# Altium PCB radxa_nx4_io_board_v1.11.PcbDoc (part 13 of 13)
Units mil, origin at the board's own origin, x right, y up, seen from the top; angles counter-clockwise.
Board outline 3937.01 x 3110.23 mil, 6 copper layers (TOP, GND02, ART03, ART04, GND05, BOTTOM), stack 47.2 mil thick; 639 components, 522 nets, 2442 pads, 1896 vias.
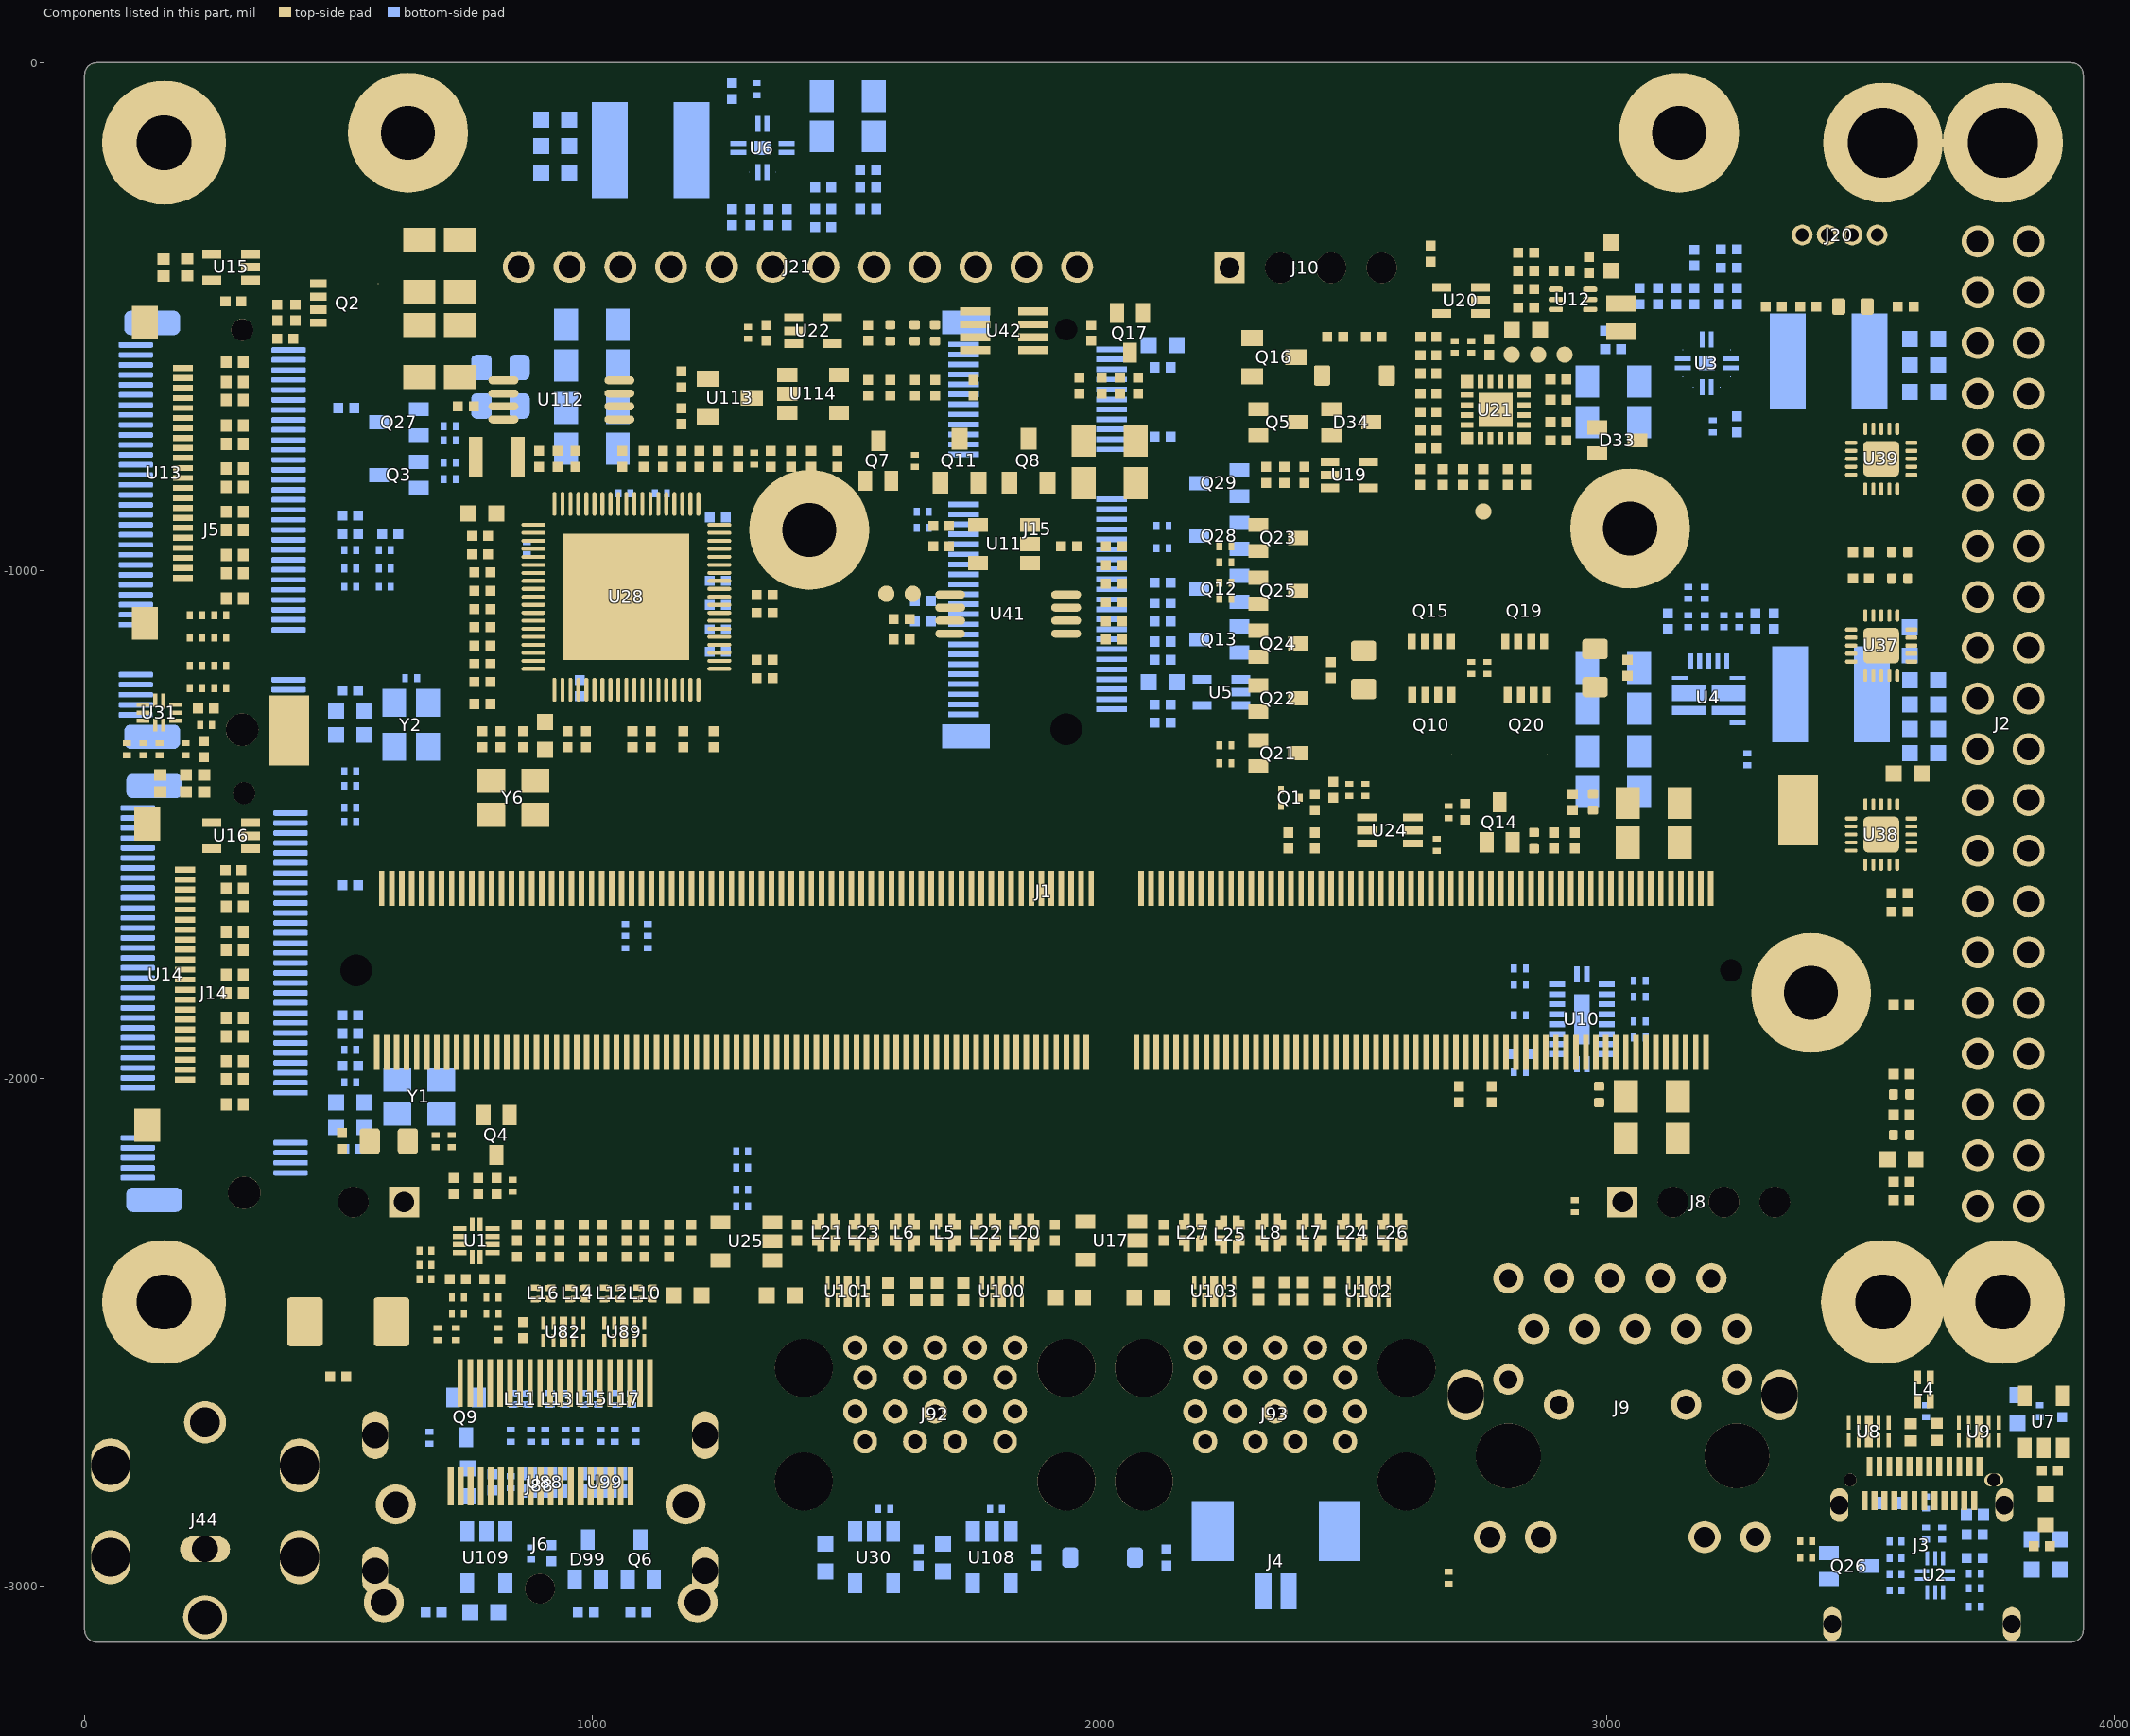
[diagram p17: the components of this part, seen from the top]

## Silkscreen, mask and mechanical layers (free items; w line width, h text height) (continued)
DXF-BOT-0717:
  drawing of 4334 lines, arcs and shapes, not listed
  text "R563" at -2845.45,7293.94 h11.81
  text "R562" at -2839.46,7257.09 h11.81 r270
  text "Q61" at -2916.13,7238.11 h12
  text "Q60" at -2845.26,7191.57 h11.81 r270
  text "D64" at -5357.57,7189.61 h31.5
  text "C341" at -2654.99,7145.39 h12
  text "R171" at -5411.9,7138.43 h11.81
  text "C143" at -5502.41,7118.07 h11.81
  text "C337" at -2802.1,7105.35 h11.81
  text "C335" at -2660.25,7080.35 h11.81
  text "C345" at -2412.93,7076.46 h11.81
  text "C413" at -2218.99,7063.62 h11.81
  text "C340" at -2802.1,7035.94 h11.81
  text "TP56" at -5130.41,7026.22 h11.81
  text "C156" at -2884.34,7024.29 h11.81 r270
  text "C336" at -2669.74,7019.33 h11.81
  text "C402" at -2214.74,6993.7 h11.81 r270
  text "C339" at -2685.6,6979.06 h11.81
  text "R415" at -2860.84,6971.18 h11.81
  text "C330" at -2799.07,6971.18 h11.81
  text "C393" at -5233.75,6944.57 h11.81 r270
  text "C394" at -5278.04,6939.65 h11.81 r270
  text "C111" at -3659.93,6939.65 h11.81 r270
  text "R418" at -2860.84,6939.69 h11.81
  text "C109" at -3620.56,6923.9 h11.81 r270
  text "R439" at -5134.34,6921.89 h11.81
  text "L45" at -2484.74,6921.69 h31.5
  text "R421" at -2860.84,6908.19 h11.81
  text "R441" at -4895.17,6896.3 h11.81
  text "R440" at -5134.34,6889.41 h11.81
  text "R175" at -5075.29,6889.41 h11.81
  text "R178" at -4957.18,6889.41 h11.81
  text "C165" at -4854.82,6888.46 h11.81 r270
  text "R176" at -4823.52,6888.46 h11.81 r270
  text "L47" at -2485.13,6882.13 h31.5
  text "TP12" at -3193.4,6877.64 h11.81 r270
  text "C343" at -2209.74,6870.91 h11.81 r270
  text "R408" at -2860.84,6868.82 h11.81
  text "R177" at -4895.17,6864.8 h11.81
  text "C142" at -3346.94,6860.91 h11.81 r270
  text "R144" at -3313.48,6860.91 h11.81 r270
  text "R165" at -3280.01,6860.91 h11.81 r270
  text "TP50" at -5132.38,6852.64 h11.81 r270
  text "U4" at -2714.19,6849.13 h31.5
  text "L46" at -2485.13,6842.36 h31.5
  text "R410" at -2860.84,6837.32 h11.81
  text "TP10" at -3193.4,6822.52 h11.81 r270
  text "R442" at -5214.07,6811.69 h11.81 r270
  text "C428" at -5180.56,6811.69 h11.81 r270
  text "C163" at -4869.58,6806.77 h11.81 r270
  text "C164" at -4820.37,6806.77 h11.81 r270
  text "C387" at -5124.5,6805.75 h11.81
  text "R413" at -2937.61,6805.83 h11.81
  text "R417" at -2860.84,6805.83 h11.81
  text "U26" at -5003.24,6801.81 h31.5 r270
  text "C357" at -4913.87,6792.99 h11.81 r270
  text "U19" at -3324.11,6772.28 h11.81 r270
  text "TP9" at -3198.13,6767.36 h11.81 r270
  text "R411" at -2937.61,6766.46 h11.81
  text "R416" at -2860.84,6766.46 h11.81
  text "R419" at -2604.82,6760.51 h11.81 r270
  text "R420" at -2661.9,6746.69 h11.81
  text "R414" at -2860.84,6732.99 h11.81
  text "TP11" at -3193.4,6712.28 h11.81 r270
  text "R511" at -2669.78,6703.39 h11.81
  text "C331" at -2610.72,6703.39 h11.81
  text "C329" at -2860.84,6699.53 h11.81
  text "L19" at -5149.9,6698.46 h11.81 r270
  text "C34" at -3265.06,6684.69 h11.81
  text "R31" at -3335.92,6669.92 h11.81 r270
  text "C344" at -2274.78,6669.88 h11.81 r270
  text "R30" at -3265.06,6651.22 h11.81
  text "C346" at -2411.9,6650.43 h31.5
  text "R224" at -3145.21,6639.84 h11.81
  text "R561" at -2879.86,6635.12 h15.75 r270
  text "R205" at -2853.01,6634.02 h11.81 r270
  text "Q59" at -2927.82,6586.34 h12
  text "R225" at -3136.19,6584.33 h11.81 r270
  text "C36" at -3180.29,6566.57 h11.81 r270
  text "J24" at -5598.2,6563.62 h31.5 r270
  text "J10" at -3864.62,6563.62 h31.5 r270
  text "MEC2" at -2638.4,6563.66 h50
  text "U6" at -3277.85,6544.61 h31.5
  text "Q37" at -2904.87,6540.71 h12
  text "C252" at -4806.59,6539.06 h11.81 r270
  text "C155" at -4664.86,6539.06 h11.81 r270
  text "C401" at -2208.83,6536.02 h11.81 r270
  text "MEC1" at -4254.35,6508.5 h50
  text "C32" at -3158.76,6487.83 h11.81
  text "Q36" at -2991.79,6476.34 h11.81 r270
  text "R460" at -4142.22,6473.11 h11.81 r270
  text "C30" at -3158.76,6456.34 h11.81
  text "R204" at -2940.72,6444.8 h11.81 r270
  text "R461" at -4142.22,6433.7 h11.81 r270
  text "C31" at -3158.76,6424.84 h11.81
  text "L43" at -2478.44,6423.86 h31.5
  text "R481" at -5263.28,6422.91 h11.81 r270
  text "L44" at -2478.04,6384.49 h31.5
  text "R374" at -4205.21,6370.71 h11.81
  text "R459" at -4159.93,6370.71 h11.81
  text "R458" at -4116.63,6370.71 h11.81
  text "C321" at -3058.26,6345.51 h12 r270
  text "L42" at -2478.44,6345.51 h31.5
  text "C315" at -2984.19,6335.24 h11.81 r270
  text "R400" at -2615.64,6332.32 h11.81
  text "C316" at -2922.69,6331.38 h11.81 r270
  text "C319" at -2882.41,6327.32 h11.81 r270
  text "R401" at -2615.64,6300.83 h11.81
  text "C44" at -4827.07,6287.05 h11.81 r270
  text "C45" at -4732.58,6287.05 h11.81 r270
  text "R37" at -4695.18,6287.05 h11.81 r270
  text "C55" at -4653.84,6287.05 h11.81 r270
  text "C48" at -4622.34,6287.05 h11.81 r270
  text "C325" at -2226.86,6280.2 h11.81 r270
  text "U3" at -2758,6274.69 h31.5 r270
  text "R510" at -2629.42,6253.62 h11.81 r270
  text "C311" at -2597.93,6253.62 h11.81 r270
  text "C108" at -3595.96,6242.17 h11.81
  text "U46" at -3211.9,6216.18 h31.5 r270
  text "C110" at -3608.75,6200.43 h11.81
  text "C310" at -2866.67,6196.14 h11.81 r270
  text "C320" at -3020.49,6194.33 h11.81 r270
  text "C317" at -2953.71,6192.95 h11.81 r270
  text "C52" at -4544.82,6183.58 h11.81
  text "C406" at -2255.96,6177.52 h11.81 r270
  text "C51" at -4614.47,6174.84 h11.81 r270
  text "C306" at -3117.61,6162.09 h11.81 r270
  text "C300" at -2898.12,6158.15 h11.81 r270
  text "C123" at -5188.48,6148.27 h11.81
  text "C326" at -2413.67,6146.5 h31.5
  text "R396" at -2866.67,6134.37 h11.81 r270
  text "R399" at -2835.17,6134.37 h11.81 r270
  text "R402" at -2803.67,6134.37 h11.81 r270
  text "R389" at -2764.3,6134.37 h11.81 r270
  text "R391" at -2732.81,6134.37 h11.81 r270
  text "R398" at -2701.31,6134.37 h11.81 r270
  text "R395" at -2661.94,6134.37 h11.81 r270
  text "R397" at -2628.48,6134.37 h11.81 r270
  text "C309" at -2595.01,6134.37 h11.81 r270
  text "C119" at -5188.48,6116.77 h11.81
  text "C113" at -3554.62,6099.06 h11.81
  text "C112" at -3554.62,6067.56 h11.81
  text "R394" at -2701.31,6057.6 h11.81 r270
  text "C122" at -5173.71,6054.76 h11.81
  text "C118" at -5173.71,6023.27 h11.81
  text "R392" at -2661.94,6019.37 h11.81 r270
  text "R387" at -2622.57,6019.37 h11.81 r270
  text "R388" at -2583.2,6019.37 h11.81 r270
  text "C115" at -5237.02,5879.96 h11.81
  text "R463" at -4666.82,5742.76 h11.81
  text "R464" at -4623.52,5742.76 h11.81
  text "R482" at -2930.6,5709.33 h11.81 r270
  text "R469" at -4666.82,5693.54 h11.81
  text "R470" at -4623.52,5693.54 h11.81
  text "J11" at -5560.33,5650.24 h31.5 r270
  text "MEC3" at -2286.04,5650.24 h50
  text "R485" at -2917.81,5632.56 h11.81 r270
  text "R484" at -2882.38,5632.56 h11.81 r270
  text "C379" at -2831.19,5622.68 h11.81
  text "D69" at -2557.37,5582.32 h31.5 r270
  text "C388" at -2705.21,5578.39 h11.81
  text "C385" at -2705.21,5543.94 h11.81
  text "TP53" at -4874.5,5492.76 h11.81
  text "TP54" at -4918.01,5492.2 h11.81
  text "C377" at -2990.64,5490.83 h11.81 r270
  text "U37" at -2880.21,5490.79 h31.5 r270
  text "C386" at -2740.64,5489.8 h11.81
  text "C384" at -2740.64,5455.35 h11.81
  text "D68" at -2557.37,5455.35 h31.5 r270
  text "TP55" at -2695.37,5386.46 h11.81
  text "C378" at -2883.36,5351.02 h11.81
  text "R486" at -2931.59,5317.6 h11.81 r270
  text "C121" at -4436.31,5287.83 h11.81
  text "C117" at -4436.31,5256.34 h11.81
  text "C120" at -4368.83,5148.58 h11.81
  text "C116" at -4368.83,5117.09 h11.81
  text "R550" at -4478.32,5104.21 h11.81 r270
  text "R553" at -4730.64,5100.47 h11.81
  text "R546" at -4634.93,5100.47 h11.81
  text "R545" at -4577.69,5099.92 h11.81
  text "Q58" at -4521.95,5100.24 h11.81
  text "R554" at -4786.79,5098.86 h11.81
  text "R549" at -4709.78,5068.9 h11.81
  text "R548" at -4654.19,5068.39 h11.81
  text "R556" at -4865.05,5067.32 h11.81
  text "R555" at -4811.31,5063.9 h11.81
  text "C171" at -5406,5053.43 h11.81 r270
  text "C439" at -5037.14,5051.77 h11.81
  text "C440" at -5070.21,5000.28 h11.81 r270
  text "R306" at -4677.18,5000.43 h11.81
  text "D65" at -5276.86,4991.77 h31.5
  text "U60" at -5144.19,4976.22 h31
  text "R552" at -4712.45,4938.98 h11.81 r270
  text "C441" at -5071.23,4932.05 h11.81
  text "C442" at -5066.82,4896.3 h11.81
  text "C390" at -2075.29,4860.2 h11.81
  text "R999" at -4983.79,4855.24 h11.81
  text "R998" at -4984.23,4823.43 h11.81
  text "R494" at -2124.3,4821.5 h11.81 r270
  text "C389" at -2084.93,4803.11 h11.81 r270
  text "C157" at -2161.9,4782.13 h31.5 r270
  text "U55" at -1966.82,4779.17 h31.5
  text "R493" at -1902.06,4697.01 h11.81 r270
  text "R551" at -5063.64,4658.7 h11.81 r270
  text "R547" at -5032.81,4658.62 h11.81 r270
  text "R495" at -2203.24,4642.36 h11.81
  text "R487" at -2140.25,4642.36 h11.81
  text "R490" at -2081.19,4642.36 h11.81
  text "R488" at -2228.2,4573.46 h11.81
  text "C380" at -2084.15,4572.48 h11.81 r270
  text "R492" at -2046.75,4572.48 h11.81 r270
  text "R491" at -2012.3,4567.56 h11.81 r270
  text "J3" at -3572.06,4566.26 h50
  text "U54" at -2113.48,4537.05 h31.5
  text "R483" at -2237.69,4534.09 h11.81 r270
  text "R489" at -2203.24,4534.09 h11.81 r270
  text "R222" at -3172.1,4520.28 h11.81
  text "D4" at -3109.47,4508.58 h12
  text "C381" at -2211.12,4473.07 h11.81
  text "C383" at -2148.12,4470.12 h11.81 r270
  text "C382" at -2117.41,4470.12 h11.81 r270
  text "Q54" at -2024.89,4468.03 h31.5
  text "R560" at -3298.01,4449.96 h11.81
  text "R563" at 2918.55,-186.06 h11.81
  text "R562" at 2924.54,-222.91 h11.81 r270
  text "Q61" at 2847.87,-241.89 h12
  text "Q60" at 2918.74,-288.43 h11.81 r270
  text "D64" at 406.43,-290.39 h31.5
  text "C341" at 3109.01,-334.61 h12
  text "R171" at 352.1,-341.57 h11.81
  text "C143" at 261.59,-361.93 h11.81
  text "C337" at 2961.9,-374.65 h11.81
  text "C335" at 3103.75,-399.65 h11.81
  text "C345" at 3351.07,-403.54 h11.81
  text "C413" at 3545.01,-416.38 h11.81
  text "C340" at 2961.9,-444.06 h11.81
  text "TP56" at 633.59,-453.78 h11.81
  text "C156" at 2879.66,-455.71 h11.81 r270
  text "C336" at 3094.26,-460.67 h11.81
  text "C402" at 3549.26,-486.3 h11.81 r270
  text "C339" at 3078.4,-500.94 h11.81
  text "R415" at 2903.16,-508.82 h11.81
  text "C330" at 2964.93,-508.82 h11.81
  text "C393" at 530.25,-535.43 h11.81 r270
  text "C394" at 485.96,-540.35 h11.81 r270
  text "C111" at 2104.07,-540.35 h11.81 r270
  text "R418" at 2903.16,-540.31 h11.81
  text "C109" at 2143.44,-556.1 h11.81 r270
  text "R439" at 629.66,-558.11 h11.81
  text "L45" at 3279.26,-558.31 h31.5
  text "R421" at 2903.16,-571.81 h11.81
  text "R441" at 868.83,-583.7 h11.81
  text "R440" at 629.66,-590.59 h11.81
  text "R175" at 688.71,-590.59 h11.81
  text "R178" at 806.82,-590.59 h11.81
  text "C165" at 909.18,-591.54 h11.81 r270
  text "R176" at 940.48,-591.54 h11.81 r270
  text "L47" at 3278.87,-597.87 h31.5
  text "TP12" at 2570.6,-602.36 h11.81 r270
  text "C343" at 3554.26,-609.09 h11.81 r270
  text "R408" at 2903.16,-611.18 h11.81
  text "R177" at 868.83,-615.2 h11.81
  text "C142" at 2417.06,-619.09 h11.81 r270
  text "R144" at 2450.52,-619.09 h11.81 r270
  text "R165" at 2483.99,-619.09 h11.81 r270
  text "TP50" at 631.62,-627.36 h11.81 r270
  text "U4" at 3049.81,-630.87 h31.5
  text "L46" at 3278.87,-637.64 h31.5
  text "R410" at 2903.16,-642.68 h11.81
  text "TP10" at 2570.6,-657.48 h11.81 r270
  text "R442" at 549.93,-668.31 h11.81 r270
  text "C428" at 583.44,-668.31 h11.81 r270
  text "C163" at 894.42,-673.23 h11.81 r270
  text "C164" at 943.63,-673.23 h11.81 r270
  text "C387" at 639.5,-674.25 h11.81
  text "R413" at 2826.39,-674.17 h11.81
  text "R417" at 2903.16,-674.17 h11.81
  text "U26" at 760.76,-678.19 h31.5 r270
  text "C357" at 850.13,-687.01 h11.81 r270
  text "U19" at 2439.89,-707.72 h11.81 r270
  text "TP9" at 2565.87,-712.64 h11.81 r270
  text "R411" at 2826.39,-713.54 h11.81
  text "R416" at 2903.16,-713.54 h11.81
  text "R419" at 3159.18,-719.49 h11.81 r270
  text "R420" at 3102.1,-733.31 h11.81
  text "R414" at 2903.16,-747.01 h11.81
  text "TP11" at 2570.6,-767.72 h11.81 r270
  text "R511" at 3094.22,-776.61 h11.81
  text "C331" at 3153.28,-776.61 h11.81
  text "C329" at 2903.16,-780.47 h11.81
  text "L19" at 614.1,-781.54 h11.81 r270
  text "C34" at 2498.94,-795.31 h11.81
  text "R31" at 2428.08,-810.08 h11.81 r270
  text "C344" at 3489.22,-810.12 h11.81 r270
  text "R30" at 2498.94,-828.78 h11.81
  text "C346" at 3352.1,-829.57 h31.5
  text "R224" at 2618.79,-840.16 h11.81
  text "R561" at 2884.14,-844.88 h15.75 r270
  text "R205" at 2910.99,-845.98 h11.81 r270
  text "Q59" at 2836.18,-893.66 h12
  text "R225" at 2627.81,-895.67 h11.81 r270
  text "C36" at 2583.71,-913.43 h11.81 r270
  text "J24" at 165.8,-916.38 h31.5 r270
  text "J10" at 1899.38,-916.38 h31.5 r270
  text "MEC2" at 3125.6,-916.34 h50
  text "U6" at 2486.15,-935.39 h31.5
  text "Q37" at 2859.13,-939.29 h12
  text "C252" at 957.41,-940.94 h11.81 r270
  text "C155" at 1099.14,-940.94 h11.81 r270
  text "C401" at 3555.17,-943.98 h11.81 r270
  text "MEC1" at 1509.65,-971.5 h50
  text "C32" at 2605.24,-992.17 h11.81
  text "Q36" at 2772.21,-1003.66 h11.81 r270
  text "R460" at 1621.78,-1006.89 h11.81 r270
  text "C30" at 2605.24,-1023.66 h11.81
  text "R204" at 2823.28,-1035.2 h11.81 r270
  text "R461" at 1621.78,-1046.3 h11.81 r270
  text "C31" at 2605.24,-1055.16 h11.81
  text "L43" at 3285.56,-1056.14 h31.5
  text "R481" at 500.72,-1057.09 h11.81 r270
  text "L44" at 3285.96,-1095.51 h31.5
  text "R374" at 1558.79,-1109.29 h11.81
  text "R459" at 1604.07,-1109.29 h11.81
  text "R458" at 1647.37,-1109.29 h11.81
  text "C321" at 2705.74,-1134.49 h12 r270
  text "L42" at 3285.56,-1134.49 h31.5
  text "C315" at 2779.81,-1144.76 h11.81 r270
  text "R400" at 3148.36,-1147.68 h11.81
  text "C316" at 2841.31,-1148.62 h11.81 r270
  text "C319" at 2881.59,-1152.68 h11.81 r270
  text "R401" at 3148.36,-1179.17 h11.81
  text "C44" at 936.93,-1192.95 h11.81 r270
  text "C45" at 1031.42,-1192.95 h11.81 r270
  text "R37" at 1068.82,-1192.95 h11.81 r270
  text "C55" at 1110.16,-1192.95 h11.81 r270
  text "C48" at 1141.66,-1192.95 h11.81 r270
  text "C325" at 3537.14,-1199.8 h11.81 r270
  text "U3" at 3006,-1205.31 h31.5 r270
  text "R510" at 3134.58,-1226.38 h11.81 r270
  text "C311" at 3166.07,-1226.38 h11.81 r270
  text "C108" at 2168.04,-1237.83 h11.81
  text "U46" at 2552.1,-1263.82 h31.5 r270
  text "C110" at 2155.25,-1279.57 h11.81
  text "C310" at 2897.33,-1283.86 h11.81 r270
  text "C320" at 2743.51,-1285.67 h11.81 r270
  text "C317" at 2810.29,-1287.05 h11.81 r270
  text "C52" at 1219.18,-1296.42 h11.81
  text "C406" at 3508.04,-1302.48 h11.81 r270
  text "C51" at 1149.53,-1305.16 h11.81 r270
  text "C306" at 2646.39,-1317.91 h11.81 r270
  text "C300" at 2865.88,-1321.85 h11.81 r270
  text "C123" at 575.52,-1331.73 h11.81
  text "C326" at 3350.33,-1333.5 h31.5
  text "R396" at 2897.33,-1345.63 h11.81 r270
  text "R399" at 2928.83,-1345.63 h11.81 r270
  text "R402" at 2960.33,-1345.63 h11.81 r270
  text "R389" at 2999.7,-1345.63 h11.81 r270
  text "R391" at 3031.19,-1345.63 h11.81 r270
  text "R398" at 3062.69,-1345.63 h11.81 r270
  text "R395" at 3102.06,-1345.63 h11.81 r270
  text "R397" at 3135.52,-1345.63 h11.81 r270
  text "C309" at 3168.99,-1345.63 h11.81 r270
  text "C119" at 575.52,-1363.23 h11.81
  text "C113" at 2209.38,-1380.94 h11.81
  text "C112" at 2209.38,-1412.44 h11.81
  text "R394" at 3062.69,-1422.4 h11.81 r270
  text "C122" at 590.29,-1425.24 h11.81
  text "C118" at 590.29,-1456.73 h11.81
  text "R392" at 3102.06,-1460.63 h11.81 r270
  text "R387" at 3141.43,-1460.63 h11.81 r270
  text "R388" at 3180.8,-1460.63 h11.81 r270
  text "C115" at 526.98,-1600.04 h11.81
  text "R463" at 1097.18,-1737.24 h11.81
  text "R464" at 1140.48,-1737.24 h11.81
  text "R482" at 2833.4,-1770.67 h11.81 r270
  text "R469" at 1097.18,-1786.46 h11.81
  text "R470" at 1140.48,-1786.46 h11.81
  text "J11" at 203.67,-1829.76 h31.5 r270
  text "MEC3" at 3477.96,-1829.76 h50
  text "R485" at 2846.19,-1847.44 h11.81 r270
  text "R484" at 2881.62,-1847.44 h11.81 r270
  text "C379" at 2932.81,-1857.32 h11.81
  text "D69" at 3206.63,-1897.68 h31.5 r270
  text "C388" at 3058.79,-1901.61 h11.81
  text "C385" at 3058.79,-1936.06 h11.81
  text "TP53" at 889.5,-1987.24 h11.81
  text "TP54" at 845.99,-1987.8 h11.81
  text "C377" at 2773.36,-1989.17 h11.81 r270
  text "U37" at 2883.79,-1989.21 h31.5 r270
  text "C386" at 3023.36,-1990.2 h11.81
  text "C384" at 3023.36,-2024.65 h11.81
  text "D68" at 3206.63,-2024.65 h31.5 r270
  text "TP55" at 3068.63,-2093.54 h11.81
  text "C378" at 2880.64,-2128.98 h11.81
  text "R486" at 2832.41,-2162.4 h11.81 r270
  text "C121" at 1327.69,-2192.17 h11.81
  text "C117" at 1327.69,-2223.66 h11.81
  text "C120" at 1395.17,-2331.42 h11.81
  text "C116" at 1395.17,-2362.91 h11.81
  text "R550" at 1285.68,-2375.79 h11.81 r270
  text "R553" at 1033.36,-2379.53 h11.81
  text "R546" at 1129.07,-2379.53 h11.81
  text "R545" at 1186.31,-2380.08 h11.81
  text "Q58" at 1242.05,-2379.76 h11.81
  text "R554" at 977.21,-2381.14 h11.81
  text "R549" at 1054.22,-2411.1 h11.81
  text "R548" at 1109.81,-2411.61 h11.81
  text "R556" at 898.95,-2412.68 h11.81
  text "R555" at 952.69,-2416.1 h11.81
  text "C171" at 358,-2426.57 h11.81 r270
  text "C439" at 726.86,-2428.23 h11.81
  text "C440" at 693.79,-2479.72 h11.81 r270
  text "R306" at 1086.82,-2479.57 h11.81
  text "D65" at 487.14,-2488.23 h31.5
  text "U60" at 619.81,-2503.78 h31
  text "R552" at 1051.55,-2541.02 h11.81 r270
  text "C441" at 692.77,-2547.95 h11.81
  text "C442" at 697.18,-2583.7 h11.81
  text "C390" at 3688.71,-2619.8 h11.81
  text "R999" at 780.21,-2624.76 h11.81
  text "R998" at 779.77,-2656.57 h11.81
  text "R494" at 3639.7,-2658.5 h11.81 r270
  text "C389" at 3679.07,-2676.89 h11.81 r270
  text "C157" at 3602.1,-2697.87 h31.5 r270
  text "U55" at 3797.18,-2700.83 h31.5
  text "R493" at 3861.94,-2782.99 h11.81 r270
  text "R551" at 700.36,-2821.3 h11.81 r270
  text "R547" at 731.19,-2821.38 h11.81 r270
  text "R495" at 3560.76,-2837.64 h11.81
  text "R487" at 3623.75,-2837.64 h11.81
  text "R490" at 3682.81,-2837.64 h11.81
  text "R488" at 3535.8,-2906.54 h11.81
  text "C380" at 3679.85,-2907.52 h11.81 r270
  text "R492" at 3717.25,-2907.52 h11.81 r270
  text "R491" at 3751.7,-2912.44 h11.81 r270
  text "J3" at 2191.94,-2913.74 h50
  text "U54" at 3650.52,-2942.95 h31.5
  text "R483" at 3526.31,-2945.91 h11.81 r270
  text "R489" at 3560.76,-2945.91 h11.81 r270
  text "R222" at 2591.9,-2959.72 h11.81
  text "D4" at 2654.53,-2971.42 h12
  text "C381" at 3552.88,-3006.93 h11.81
  text "C383" at 3615.88,-3009.88 h11.81 r270
  text "C382" at 3646.59,-3009.88 h11.81 r270
  text "Q54" at 3739.11,-3011.97 h31.5
  text "R560" at 2465.99,-3030.04 h11.81
OFF_GRID_AREA:
  drawing of 11424 lines, arcs and shapes, not listed
0:
  circle w1: c808.21,355.93 r118.11
  circle w1: c3314.12,357.9 r68.89
  circle w1: c7645.14,-1897.64 r53.15
  circle w1: c8156.73,357.9 r118.11
  circle w1: c2046.81,-1849.05 r53.15
  circle w1: c3314.12,357.9 r118.11
  circle w1: c10662.64,355.93 r118.11
  circle w1: c7645.14,-1425.21 r53.15
  circle w1: c3820.05,-1876.83 r53.15
  circle w1: c11603.74,694.49 r53.15
  circle w1: c9424.05,-1849.05 r53.14
  circle w1: c9424.05,-1849.05 r108.26
  circle w1: c808.21,355.93 r68.9
  circle w1: c8156.73,357.9 r68.9
  circle w1: c3825.2,-1404.43 r53.14
  circle w1: c-132.89,694.49 r53.15
PIN_BOTTOM:
  drawing of 988 lines, arcs and shapes, not listed
PG_SILKSCREEN_BOTTOM:
  drawing of 1297 lines, arcs and shapes, not listed
  text "59" at 9636.65,2.02 h9.25 r90
  text "29" at 9337.44,-1.92 h9.25 r90
  text "39" at 9439.8,-1.92 h9.25 r90
  text "49" at 9538.22,-1.92 h9.25 r90
  text "69" at 9731.14,-1.92 h9.25 r90
  text "75" at 9790.19,-1.92 h9.25 r90
  text "21" at 9258.7,-3.63 h9.25 r90
  text "11" at 9164.21,-9.28 h9.25 r90
  text "1" at 9053.97,-16.64 h9.25 r90
  text "1" at 7258.14,-61.33 h25
  text "23" at 7534.64,-66.33 h25
  text "33" at 7579.64,-66.33 h25
  text "40" at 9447.67,-396.47 h9.25 r90
  text "50" at 9546.1,-396.47 h9.25 r90
  text "60" at 9644.52,-396.47 h9.25 r90
  text "70" at 9742.95,-396.47 h9.25 r90
  text "74" at 9782.32,-395.62 h9.25 r90
  text "2" at 9073.66,-396.82 h9.25 r90
  text "20" at 9251.51,-397.2 h9.25 r90
  text "30" at 9349.94,-397.2 h9.25 r90
  text "10" at 9152.4,-398.18 h9.25 r90
  text "74" at 8018.27,-473.48 h25
  text "1" at 11032.54,-961.95 h25 r270
  text "2" at 10879.98,-965.61 h25 r270
  text "3" at 10922.23,-1075.02 h25 r270
  text "1" at 10935.66,-1465.1 h12 r270
BG_SILKSCREEN_TOP:
  lines w1: 2177.57,-2447.37 ccw(c2227.57,-2447.37) 2277.57,-2447.37 ccw(c2227.57,-2447.37) 2177.57,-2447.37 ; 2236.22,-2760.37 ccw(c2271.66,-2760.36) 2307.1,-2760.36 ccw(c2271.66,-2760.36) 2236.22,-2760.37 ; 2242.49,-2567.45 ccw(c2307.49,-2567.45) 2372.49,-2567.45 ccw(c2307.49,-2567.45) 2242.49,-2567.45 ; 2271.86,-2217.45 ccw(c2307.29,-2217.45) 2342.72,-2217.45 ccw(c2307.29,-2217.45) 2271.86,-2217.45 ; 2322.25,-2317.45 ccw(c2357.68,-2317.45) 2393.11,-2317.45 ccw(c2357.68,-2317.45) 2322.25,-2317.45 ; 2336.22,-2760.37 ccw(c2371.66,-2760.36) 2407.1,-2760.36 ccw(c2371.66,-2760.36) 2336.22,-2760.37 ; 2371.86,-2217.45 ccw(c2407.29,-2217.45) 2442.72,-2217.45 ccw(c2407.29,-2217.45) 2371.86,-2217.45 ; 2422.25,-2317.45 ccw(c2457.68,-2317.45) 2493.11,-2317.45 ccw(c2457.68,-2317.45) 2422.25,-2317.45 ; 2471.86,-2217.45 ccw(c2507.29,-2217.45) 2542.72,-2217.45 ccw(c2507.29,-2217.45) 2471.86,-2217.45 ; 2522.25,-2317.45 ccw(c2557.68,-2317.45) 2593.11,-2317.45 ccw(c2557.68,-2317.45) 2522.25,-2317.45 ; 2571.86,-2217.45 ccw(c2607.29,-2217.45) 2642.72,-2217.45 ccw(c2607.29,-2217.45) 2571.86,-2217.45 ; 2622.25,-2317.45 ccw(c2657.68,-2317.45) 2693.11,-2317.45 ccw(c2657.68,-2317.45) 2622.25,-2317.45 ; 2657.88,-2760.37 ccw(c2693.32,-2760.36) 2728.76,-2760.36 ccw(c2693.32,-2760.36) 2657.88,-2760.37 ; 2671.86,-2217.45 ccw(c2707.29,-2217.45) 2742.72,-2217.45 ccw(c2707.29,-2217.45) 2671.86,-2217.45 ; 2692.49,-2567.45 ccw(c2757.49,-2567.45) 2822.49,-2567.45 ccw(c2757.49,-2567.45) 2692.49,-2567.45 ; 2722.25,-2317.45 ccw(c2757.68,-2317.45) 2793.11,-2317.45 ccw(c2757.68,-2317.45) 2722.25,-2317.45 ; 2757.88,-2760.37 ccw(c2793.32,-2760.36) 2828.76,-2760.36 ccw(c2793.32,-2760.36) 2757.88,-2760.37 ; 2787.4,-2447.37 ccw(c2837.41,-2447.37) 2887.42,-2447.37 ccw(c2837.41,-2447.37) 2787.4,-2447.37 ; 3162.7,-2447.37 ccw(c3212.7,-2447.37) 3262.7,-2447.37 ccw(c3212.7,-2447.37) 3162.7,-2447.37 ; 3221.35,-2760.37 ccw(c3256.79,-2760.36) 3292.23,-2760.36 ccw(c3256.79,-2760.36) 3221.35,-2760.37 ; 3227.61,-2567.45 ccw(c3292.61,-2567.45) 3357.61,-2567.45 ccw(c3292.61,-2567.45) 3227.61,-2567.45 ; 3256.99,-2217.45 ccw(c3292.42,-2217.45) 3327.85,-2217.45 ccw(c3292.42,-2217.45) 3256.99,-2217.45 ; 3307.39,-2317.45 ccw(c3342.82,-2317.45) 3378.25,-2317.45 ccw(c3342.82,-2317.45) 3307.39,-2317.45 ; 3321.35,-2760.37 ccw(c3356.79,-2760.36) 3392.23,-2760.36 ccw(c3356.79,-2760.36) 3321.35,-2760.37 ; 3356.99,-2217.45 ccw(c3392.42,-2217.45) 3427.85,-2217.45 ccw(c3392.42,-2217.45) 3356.99,-2217.45 ; 3407.39,-2317.45 ccw(c3442.82,-2317.45) 3478.25,-2317.45 ccw(c3442.82,-2317.45) 3407.39,-2317.45 ; 3456.99,-2217.45 ccw(c3492.42,-2217.45) 3527.85,-2217.45 ccw(c3492.42,-2217.45) 3456.99,-2217.45 ; 3507.39,-2317.45 ccw(c3542.82,-2317.45) 3578.25,-2317.45 ccw(c3542.82,-2317.45) 3507.39,-2317.45 ; 3556.99,-2217.45 ccw(c3592.42,-2217.45) 3627.85,-2217.45 ccw(c3592.42,-2217.45) 3556.99,-2217.45 ; 3607.39,-2317.45 ccw(c3642.82,-2317.45) 3678.25,-2317.45 ccw(c3642.82,-2317.45) 3607.39,-2317.45 ; 3643,-2760.37 ccw(c3678.44,-2760.36) 3713.88,-2760.36 ccw(c3678.44,-2760.36) 3643,-2760.37 ; 3656.99,-2217.45 ccw(c3692.42,-2217.45) 3727.85,-2217.45 ccw(c3692.42,-2217.45) 3656.99,-2217.45 ; 3677.61,-2567.45 ccw(c3742.61,-2567.45) 3807.61,-2567.45 ccw(c3742.61,-2567.45) 3677.61,-2567.45 ; 3707.39,-2317.45 ccw(c3742.82,-2317.45) 3778.25,-2317.45 ccw(c3742.82,-2317.45) 3707.39,-2317.45 ; 3743,-2760.37 ccw(c3778.44,-2760.36) 3813.88,-2760.36 ccw(c3778.44,-2760.36) 3743,-2760.37 ; 3772.52,-2447.37 ccw(c3822.53,-2447.37) 3872.54,-2447.37 ccw(c3822.53,-2447.37) 3772.52,-2447.37
  lines w4.92: 2453.75,-2567.45 2611.23,-2567.45 ; 2532.49,-2646.19 2532.49,-2488.71 ; 3438.88,-2567.45 3596.36,-2567.45 ; 3517.62,-2646.19 3517.62,-2488.71
  lines w7.87: 2532.49,-2997.37 2532.49,-2567.45 ; 3517.62,-2997.37 3517.62,-2567.45 ; 2215.56,-2997.37 2849.42,-2997.37 2849.42,-2137.53 2215.56,-2137.53 2215.56,-2997.37 ; 3200.69,-2997.37 3834.55,-2997.37 3834.55,-2137.53 3200.69,-2137.53 3200.69,-2997.37
  lines w15: 2298.32,-2098.6 2299.82,-2100.1 2299.82,-2109.6 ; 3283.45,-2098.6 3284.95,-2100.1 3284.95,-2109.6 ; 2299.82,-2109.6 2296.82,-2109.6 2280.32,-2093.1 2316.32,-2093.1 2299.82,-2109.6 ; 3284.95,-2109.6 3281.95,-2109.6 3265.45,-2093.1 3301.45,-2093.1 3284.95,-2109.6
  text "SATA1" at -426.18,-1148.35 h35
  text "5V" at -233.21,-2041.92 h35
  text "GND" at -247.21,-2091.92 h35
  text "GND" at -247.21,-2136.92 h35
  text "12V" at -252.21,-2184.42 h35
  text "SATA1_PWR" at -548.79,-2423.59 h35
2:
  text "MIN" at 0,56328.8 h70
  text "UNIT" at 0,-56280 h70
1:
  text "MIN" at 0,56328.8 h70
  text "MIN" at 0,56328.8 h70
  text "MIN" at 0,56328.8 h70
PHOTOPLOT_OUTLINE:
  dashed: 4308,2808 4308,-5112 -5348,-5112 -5348,2808
DXF-TOP-0715:
  drawing of 70 lines, arcs and shapes, not listed
BG_OUTLINE:
  region: -594.58,-2525 ccw(c-648.91,-2525) -703.24,-2525 ccw(c-648.91,-2525)
  region: 12065.64,998.61 cw(c12119.77,998.61) 12173.9,998.61 cw(c12119.77,998.61)
  region: 6470.17,-2997.45 12139.45,-2997.45 ccw(c12139.45,-2879.34) 12257.56,-2879.34 12257.56,-2305.77 12119.77,-2305.77 12119.77,-1207.34 12257.56,-1207.34 12257.56,1018.29 ccw(c12139.45,1018.29) 12139.45,1136.4 6470.17,1136.4 ccw(c6470.17,1018.29) 6352.06,1018.29 6352.06,-2879.34 ccw(c6470.17,-2879.34)
  region: 6435.53,-2316.45 cw(c6489.86,-2316.45) 6544.19,-2316.45 cw(c6489.86,-2316.45)
  region: 5035.32,-2316.35 ccw(c4980.99,-2316.35) 4926.66,-2316.35 ccw(c4980.99,-2316.35)
  region: 877.11,355.93 ccw(c808.21,355.94) 739.31,355.94 ccw(c808.21,355.94)
  region: -594.79,998.61 ccw(c-648.92,998.61) -703.05,998.61 ccw(c-648.92,998.61)
  region: 6435.53,998.52 cw(c6489.86,998.52) 6544.19,998.52 cw(c6489.86,998.52)
  region: 5000.68,-2997.45 -668.6,-2997.45 cw(c-668.6,-2879.34) -786.71,-2879.34 -786.71,-2305.77 -648.92,-2305.77 -648.92,-1207.34 -786.71,-1207.34 -786.71,1018.29 cw(c-668.6,1018.29) -668.6,1136.4 5000.68,1136.4 cw(c5000.68,1018.29) 5118.79,1018.29 5118.79,-2879.34 cw(c5000.68,-2879.34)
  region: 10593.74,355.83 cw(c10662.64,355.83) 10731.54,355.84 cw(c10662.64,355.83)
  region: 12065.43,-2525.1 cw(c12119.76,-2525.1) 12174.09,-2525.1 cw(c12119.76,-2525.1)
  region: 5035.32,998.62 ccw(c4980.99,998.62) 4926.66,998.62 ccw(c4980.99,998.62)
DRAWING_ORIGIN:
  lines w1: -25,0 25,0 ; 0,-25 0,25
NO_PROBE_BOTTOM:
  dashed: 3098.49,105.2 3098.49,258.74 2893.76,258.74 2893.76,105.2
  dashed: 2192,-1810.33 2192,-2101.67 1192,-2101.67 1192,-1810.33
DISPLAY_BOTTOM:
  text "#REF*" at 3031.56,172.13 h25
  text "#REF*" at 2275.75,-87.94 h25
NO_GLOSS_BOTTOM:
  dashed: 2346.61,-162.74 2346.61,-1.32 2130.08,-1.32 2130.08,-162.74
SILK-TOP:
  circle w1: c3105.24,-2394 r35.43
  circle w1: c2805.24,-2394 r35.43
  circle w1: c2955.63,-2494 r35.43
  circle w1: c2769.61,-2936.91 r35.44
  circle w1: c3255.63,-2494 r35.43
  circle w1: c3191.26,-2936.91 r35.44
  circle w1: c3291.26,-2936.91 r35.44
  circle w1: c3005.24,-2394 r35.43
  circle w1: c2869.61,-2936.91 r35.44
  circle w1: c3255.44,-2744 r65
  circle w1: c2905.24,-2394 r35.43
  circle w1: c2725.51,-2623.92 r50
  circle w1: c2805.44,-2744 r65
  circle w1: c3055.63,-2494 r35.43
  circle w1: c3335.36,-2623.92 r50
  circle w1: c3155.63,-2494 r35.43
  circle w1: c2855.63,-2494 r35.43
  circle w1: c3205.24,-2394 r35.43
  lines w4.92: 2951.7,-2744 3109.18,-2744 ; 3030.44,-2822.74 3030.44,-2665.26
  lines w7.87: 3030.44,-2744 3030.44,-3173.92 ; 3030.44,-3173.92 3347.37,-3173.92 3347.37,-2314.08 2713.51,-2314.08 2713.51,-3173.92 3030.44,-3173.92
NV_SYM_PLACEMENT:
  drawing of 543 lines, arcs and shapes, not listed
  text "2.625" at 2192.87,-290.44 h20 r90
  text "4.05" at 2100.11,-416.78 h20
  text "3.50" at 2089.29,-465.2 h20
  text "22.00" at 3268.74,-880.04 h20 r90
  text "22.15" at 3321.26,-880.04 h20 r90
  text "30.00" at 2618.03,-1409.85 h20
  text "30.15" at 2618.03,-1470.52 h20
Mechanical 255:
  drawing of 216 lines, arcs and shapes, not listed

## Text inside footprints (layer, text, board x,y; h text height)
C1: PIN_NUMBER "2" at 3032.02,-2119 h12 r180; PIN_NUMBER "1" at 3134.38,-2119 h12 r180; Top Overlay "10UF 35V" at 3196.27,-2097.35 h50 r180
C2: PIN_NUMBER "2" at 3032.02,-2036 h12 r180; PIN_NUMBER "1" at 3134.38,-2036 h12 r180; Top Overlay "10UF 35V" at 3196.27,-2014.35 h50 r180
C3: PIN_NUMBER "2" at 510.95,-2588 h12; PIN_NUMBER "1" at 479.45,-2588 h12; Top Overlay "100NF 25V" at 390.87,-2515.17 h50
C4: PIN_NUMBER "1" at 411.2,-476.25 h12 r270; PIN_NUMBER "2" at 411.2,-507.75 h12 r270; Top Overlay "1UF 35V" at 348.83,-562.87 h50 r270
C5: PIN_NUMBER "2" at 655.2,-348.82 h12 r90; PIN_NUMBER "1" at 655.2,-451.18 h12 r90; Top Overlay "10UF 35V" at 681.65,-508.27 h50 r90
C6: PIN_NUMBER "2" at 735.2,-348.82 h12 r90; PIN_NUMBER "1" at 735.2,-451.18 h12 r90; Top Overlay "10UF 35V" at 761.65,-508.27 h50 r90
C7: PIN_NUMBER "2" at 1055.98,-596 h12; PIN_NUMBER "1" at 953.62,-596 h12; Bottom Overlay "10UF 35V" at 891.73,-574.35 h50
C8: PIN_NUMBER "2" at 1055.98,-516 h12; PIN_NUMBER "1" at 953.62,-516 h12; Bottom Overlay "10UF 35V" at 891.73,-494.35 h50
C9: PIN_NUMBER "2" at 1055.98,-760 h12; PIN_NUMBER "1" at 953.62,-760 h12; Bottom Overlay "10UF 35V" at 891.73,-738.35 h50
C10: PIN_NUMBER "2" at 1055.98,-680 h12; PIN_NUMBER "1" at 953.62,-680 h12; Bottom Overlay "10UF 35V" at 891.73,-658.35 h50
C11: PIN_NUMBER "1" at 2496.19,-1159.13 h30 r270; PIN_NUMBER "2" at 2496.19,-1232.87 h30 r270
C12: PIN_NUMBER "2" at 2975.81,-1155.13 h30 r90; PIN_NUMBER "1" at 2975.81,-1228.87 h30 r90
C13: PIN_NUMBER "2" at 2216.19,-1380 h25 r180; PIN_NUMBER "1" at 2239.81,-1380 h25 r180
C14: PIN_NUMBER "2" at 624.87,-2135.81 h30; PIN_NUMBER "1" at 551.13,-2135.81 h30
C15: PIN_NUMBER "1" at 3228,-727.81 h25 r90; PIN_NUMBER "2" at 3228,-704.19 h25 r90
C16: PIN_NUMBER "1" at 3260.8,-727.75 h12 r90; PIN_NUMBER "2" at 3260.8,-696.25 h12 r90; Bottom Overlay "100NF 16V" at 3508.83,-641.13 h50 r90
C17: PIN_NUMBER "2" at 1559.98,-145 h12; PIN_NUMBER "1" at 1457.62,-145 h12; Bottom Overlay "10UF 35V" at 1395.73,-123.35 h50
C18: PIN_NUMBER "1" at 3176.8,-399.75 h12 r90; PIN_NUMBER "2" at 3176.8,-368.25 h12 r90; Bottom Overlay "220PF 16V" at 3424.83,-313.13 h50 r90
C19: PIN_NUMBER "2" at 3656.36,-648 h12; PIN_NUMBER "1" at 3601.24,-648 h12; Bottom Overlay "22UF 6.3V" at 3574,-623 h50
C20: PIN_NUMBER "2" at 3656.36,-596 h12; PIN_NUMBER "1" at 3601.24,-596 h12; Bottom Overlay "22UF 6.3V" at 3574,-571 h50
C21: PIN_NUMBER "2" at 3656.36,-544 h12; PIN_NUMBER "1" at 3601.24,-544 h12; Bottom Overlay "10UF 10V" at 3574,-519 h50
C22: PIN_NUMBER "2" at 3260.8,-444.25 h12 r90; PIN_NUMBER "1" at 3260.8,-475.75 h12 r90; Bottom Overlay "2.2UF 10V" at 3508.83,-389.13 h50 r90
C23: PIN_NUMBER "2" at 1950.95,-952 h12; PIN_NUMBER "1" at 1919.45,-952 h12; Top Overlay "1UF 10V" at 1870.87,-879.17 h50
C24: PIN_NUMBER "2" at 1667.45,-952 h12 r180; PIN_NUMBER "1" at 1698.95,-952 h12 r180; Top Overlay "1UF 10V" at 1477.13,-1024.83 h50 r180
C25: PIN_NUMBER "2" at 1667.45,-912 h12 r180; PIN_NUMBER "1" at 1698.95,-912 h12 r180; Top Overlay "100NF 10V" at 1437.13,-984.83 h50 r180
C26: PIN_NUMBER "2" at 2850.95,-410 h12; PIN_NUMBER "1" at 2819.45,-410 h12; Top Overlay "100PF 50V" at 2730.87,-337.17 h50
C27: PIN_NUMBER "2" at 3003.2,-354.44 h12 r90; PIN_NUMBER "1" at 3003.2,-409.56 h12 r90; Top Overlay "10UF 10V" at 3033,-432 h50 r90
C28: PIN_NUMBER "2" at 2959.2,-382.25 h12 r90; PIN_NUMBER "1" at 2959.2,-413.75 h12 r90; Top Overlay "100NF 10V" at 2711.17,-327.13 h50 r90
C29: PIN_NUMBER "2" at 2819.45,-482 h12 r180; PIN_NUMBER "1" at 2850.95,-482 h12 r180; Top Overlay "100NF 10V" at 2589.13,-554.83 h50 r180
C30: PIN_NUMBER "2" at 2807.64,-526 h12 r180; PIN_NUMBER "1" at 2862.76,-526 h12 r180; Top Overlay "10UF 10V" at 2890,-501 h50 r180
C31: PIN_NUMBER "1" at 3072.19,-1888 h25; PIN_NUMBER "2" at 3095.81,-1888 h25
C32: PIN_NUMBER "1" at 3072.19,-1920 h25; PIN_NUMBER "2" at 3095.81,-1920 h25
C33: PIN_NUMBER "2" at 3095.81,-1808 h25; PIN_NUMBER "1" at 3072.19,-1808 h25
C34: PIN_NUMBER "2" at 3095.81,-1840 h25; PIN_NUMBER "1" at 3072.19,-1840 h25
C35: PIN_NUMBER "2" at 783.45,-2396 h12 r180; PIN_NUMBER "1" at 814.95,-2396 h12 r180; Top Overlay "DP_100NF 10V" at 493.13,-2468.83 h50 r180
C36: PIN_NUMBER "2" at 746.95,-2396 h12; PIN_NUMBER "1" at 715.45,-2396 h12; Top Overlay "DP_100NF 10V" at 566.87,-2323.17 h50
C37: PIN_NUMBER "2" at 704.19,-2432 h25 r180; PIN_NUMBER "1" at 727.81,-2432 h25 r180
C38: PIN_NUMBER "2" at 795.81,-2432 h25; PIN_NUMBER "1" at 772.19,-2432 h25
C39: PIN_NUMBER "2" at 1350.95,-1212 h12; PIN_NUMBER "1" at 1319.45,-1212 h12; Top Overlay "100NF 10V" at 1230.87,-1139.17 h50
C40: PIN_NUMBER "2" at 1350.95,-1176 h12; PIN_NUMBER "1" at 1319.45,-1176 h12; Top Overlay "100NF 10V" at 1230.87,-1103.17 h50
C41: PIN_NUMBER "2" at 1075.2,-1347.75 h12 r270; PIN_NUMBER "1" at 1075.2,-1316.25 h12 r270; Top Overlay "100NF 10V" at 972.83,-1402.87 h50 r270
C42: PIN_NUMBER "2" at 1111.2,-1347.75 h12 r270; PIN_NUMBER "1" at 1111.2,-1316.25 h12 r270; Top Overlay "100NF 10V" at 1008.83,-1402.87 h50 r270
C43: PIN_NUMBER "2" at 640.19,-2340 h25 r180; PIN_NUMBER "1" at 663.81,-2340 h25 r180
C44: PIN_NUMBER "2" at 663.81,-2396 h25; PIN_NUMBER "1" at 640.19,-2396 h25
C45: PIN_NUMBER "2" at 723.2,-2196.25 h12 r90; PIN_NUMBER "1" at 723.2,-2227.75 h12 r90; Top Overlay "100NF 25V" at 475.17,-2141.13 h50 r90
C46: PIN_NUMBER "2" at 947.2,-1347.75 h12 r270; PIN_NUMBER "1" at 947.2,-1316.25 h12 r270; Top Overlay "100NF 10V" at 844.83,-1402.87 h50 r270
C47: PIN_NUMBER "2" at 983.2,-1347.75 h12 r270; PIN_NUMBER "1" at 983.2,-1316.25 h12 r270; Top Overlay "100NF 10V" at 880.83,-1402.87 h50 r270
C48: PIN_NUMBER "2" at 1350.95,-1084 h12; PIN_NUMBER "1" at 1319.45,-1084 h12; Top Overlay "100NF 10V" at 1230.87,-1011.17 h50
C49: PIN_NUMBER "2" at 1350.95,-1048 h12; PIN_NUMBER "1" at 1319.45,-1048 h12; Top Overlay "100NF 10V" at 1230.87,-975.17 h50
C50: PIN_NUMBER "2" at 771.2,-2196.25 h12 r90; PIN_NUMBER "1" at 771.2,-2227.75 h12 r90; Top Overlay "100NF 25V" at 523.17,-2141.13 h50 r90
C51: PIN_NUMBER "2" at 3036.02,-1458 h12 r180; PIN_NUMBER "1" at 3138.38,-1458 h12 r180; Top Overlay "10UF 35V" at 3200.27,-1436.35 h50 r180
C52: PIN_NUMBER "2" at 3296.8,-1084.25 h12 r90; PIN_NUMBER "1" at 3296.8,-1115.75 h12 r90; Bottom Overlay "4.7UF 10V" at 3544.83,-1029.13 h50 r90
C53: PIN_NUMBER "2" at 2965.62,-1356 h12 r180; PIN_NUMBER "1" at 3067.98,-1356 h12 r180; Bottom Overlay "10UF 35V" at 3120.27,-1377.65 h50 r180
C54: PIN_NUMBER "2" at 2965.62,-1436 h12 r180; PIN_NUMBER "1" at 3067.98,-1436 h12 r180; Bottom Overlay "10UF 35V" at 3120.27,-1457.65 h50 r180
C55: PIN_NUMBER "2" at 3656.36,-1360 h12; PIN_NUMBER "1" at 3601.24,-1360 h12; Bottom Overlay "22UF 10V" at 3574,-1335 h50
C56: PIN_NUMBER "2" at 3656.36,-1216 h12; PIN_NUMBER "1" at 3601.24,-1216 h12; Bottom Overlay "22UF 10V" at 3574,-1191 h50
C57: PIN_NUMBER "2" at 3656.36,-1264 h12; PIN_NUMBER "1" at 3601.24,-1264 h12; Bottom Overlay "22UF 10V" at 3574,-1239 h50
C58: PIN_NUMBER "2" at 3296,-1383.81 h25 r270; PIN_NUMBER "1" at 3296,-1360.19 h25 r270
C59: PIN_NUMBER "2" at 2965.62,-628 h12 r180; PIN_NUMBER "1" at 3067.98,-628 h12 r180; Bottom Overlay "10UF 35V" at 3120.27,-649.65 h50 r180
C60: PIN_NUMBER "2" at 2965.62,-1192 h12 r180; PIN_NUMBER "1" at 3067.98,-1192 h12 r180; Bottom Overlay "10UF 35V" at 3120.27,-1213.65 h50 r180
C61: PIN_NUMBER "2" at 2965.62,-1272 h12 r180; PIN_NUMBER "1" at 3067.98,-1272 h12 r180; Bottom Overlay "10UF 35V" at 3120.27,-1293.65 h50 r180
C62: PIN_NUMBER "2" at 3600.8,-1112.44 h12 r90; PIN_NUMBER "1" at 3600.8,-1167.56 h12 r90; Bottom Overlay "22UF 10V" at 3571,-1190 h50 r90
C63: PIN_NUMBER "2" at 3250,-1111.81 h25 r270; PIN_NUMBER "1" at 3250,-1088.19 h25 r270
C64: PIN_NUMBER "2" at 3332.8,-1084.25 h12 r90; PIN_NUMBER "1" at 3332.8,-1115.75 h12 r90; Bottom Overlay "2.2UF 10V" at 3580.83,-1029.13 h50 r90
C65: PIN_NUMBER "2" at 3036.02,-1536 h12 r180; PIN_NUMBER "1" at 3138.38,-1536 h12 r180; Top Overlay "10UF 35V" at 3200.27,-1514.35 h50 r180
C66: PIN_NUMBER "2" at 3744.55,-2899 h12; PIN_NUMBER "1" at 3713.05,-2899 h12; Bottom Overlay "4.7UF 6.3V" at 3994.87,-2971.83 h50
C67: PIN_NUMBER "2" at 3648,-2885.05 h25 r90; PIN_NUMBER "1" at 3648,-2908.67 h25 r90
C68: PIN_NUMBER "2" at 3866.95,-2922 h12; PIN_NUMBER "1" at 3835.45,-2922 h12; Top Overlay "1UF 10V" at 3786.87,-2849.17 h50
C69: PIN_NUMBER "2" at 3896.36,-2968 h12; PIN_NUMBER "1" at 3841.24,-2968 h12; Bottom Overlay "22UF 10V" at 3814,-2943 h50
C70: PIN_NUMBER "2" at 3656.36,-1312 h12; PIN_NUMBER "1" at 3601.24,-1312 h12; Bottom Overlay "22UF 10V" at 3574,-1287 h50
C71: PIN_NUMBER "2" at 3680,-2885.05 h25 r90; PIN_NUMBER "1" at 3680,-2908.67 h25 r90
C72: PIN_NUMBER "2" at 3896.36,-2908 h12; PIN_NUMBER "1" at 3841.24,-2908 h12; Bottom Overlay "22UF 10V" at 3814,-2883 h50
C73: PIN_NUMBER "2" at 536.55,-680 h12; PIN_NUMBER "1" at 505.05,-680 h12; Bottom Overlay "100NF 10V" at 766.87,-752.83 h50
C74: PIN_NUMBER "2" at 1155.64,-2428 h12 r180; PIN_NUMBER "1" at 1210.76,-2428 h12 r180; Top Overlay "4.7UF 16V" at 1238,-2403 h50 r180
C75: PIN_NUMBER "2" at 3812.8,-2679.56 h12 r270; PIN_NUMBER "1" at 3812.8,-2624.44 h12 r270; Bottom Overlay "4.7UF 16V" at 3833,-2602 h50 r270
C76: PIN_NUMBER "2" at 556.36,-1324 h12; PIN_NUMBER "1" at 501.24,-1324 h12; Bottom Overlay "22UF 6.3V" at 474,-1299 h50
C77: PIN_NUMBER "2" at 544.55,-1236 h12; PIN_NUMBER "1" at 513.05,-1236 h12; Bottom Overlay "100NF 10V" at 774.87,-1308.83 h50
C78: PIN_NUMBER "2" at 259.81,-1088 h25; PIN_NUMBER "1" at 236.19,-1088 h25
C79: PIN_NUMBER "2" at 259.81,-1132 h25; PIN_NUMBER "1" at 236.19,-1132 h25
C80: PIN_NUMBER "2" at 3547.64,-2160 h12 r180; PIN_NUMBER "1" at 3602.76,-2160 h12 r180; Top Overlay "22UF 10V" at 3630,-2135 h50 r180
C81: PIN_NUMBER "2" at 1907.64,-2432 h12 r180; PIN_NUMBER "1" at 1962.76,-2432 h12 r180; Top Overlay "4.7UF 16V" at 1990,-2407 h50 r180
C82: PIN_NUMBER "2" at 3614.76,-1400 h12; PIN_NUMBER "1" at 3559.64,-1400 h12; Top Overlay "22UF 10V" at 3542,-1425 h50
C83: PIN_NUMBER "2" at 2836.19,-1988 h25 r180; PIN_NUMBER "1" at 2859.81,-1988 h25 r180
C84: PIN_NUMBER "2" at 2836.19,-1876 h25 r180; PIN_NUMBER "1" at 2859.81,-1876 h25 r180
C85: PIN_NUMBER "2" at 304.95,-1590 h12; PIN_NUMBER "1" at 273.45,-1590 h12; Top Overlay "100NF 10V" at 184.87,-1517.17 h50
C86: PIN_NUMBER "2" at 860,-2784.19 h25 r90; PIN_NUMBER "1" at 860,-2807.81 h25 r90
C87: PIN_NUMBER "2" at 676,-2492.19 h25 r90; PIN_NUMBER "1" at 676,-2515.81 h25 r90
C88: PIN_NUMBER "2" at 2711.2,-831.75 h12 r270; PIN_NUMBER "1" at 2711.2,-800.25 h12 r270; Top Overlay "100NF 10V" at 2608.83,-886.87 h50 r270
C89: PIN_NUMBER "2" at 2914.95,-664 h12; PIN_NUMBER "1" at 2883.45,-664 h12; Top Overlay "100NF 10V" at 2794.87,-591.17 h50
C90: PIN_NUMBER "2" at 2627.45,-688 h12 r180; PIN_NUMBER "1" at 2658.95,-688 h12 r180; Top Overlay "10NF 16V" at 2417.13,-760.83 h50 r180
C91: PIN_NUMBER "1" at 2668,-2995.81 h25 r90; PIN_NUMBER "2" at 2668,-2972.19 h25 r90
C92: PIN_NUMBER "2" at 3576.19,-2944.86 h25 r180; PIN_NUMBER "1" at 3599.81,-2944.86 h25 r180
C93: PIN_NUMBER "1" at 2916,-2240.19 h25 r270; PIN_NUMBER "2" at 2916,-2263.81 h25 r270
C94: PIN_NUMBER "1" at 1344,-40.19 h25 r270; PIN_NUMBER "2" at 1344,-63.81 h25 r270
C95: PIN_NUMBER "2" at 1280.8,-71.75 h12 r270; PIN_NUMBER "1" at 1280.8,-40.25 h12 r270; Bottom Overlay "100NF 16V" at 1383.17,-126.87 h50 r270
C96: PIN_NUMBER "2" at 735.2,-619.18 h12 r270; PIN_NUMBER "1" at 735.2,-516.82 h12 r270; Top Overlay "10UF 35V" at 718.35,-459.73 h50 r270
C97: PIN_NUMBER "2" at 2965.62,-708 h12 r180; PIN_NUMBER "1" at 3067.98,-708 h12 r180; Bottom Overlay "10UF 35V" at 3120.27,-729.65 h50 r180
C98: PIN_NUMBER "2" at 1559.98,-66 h12; PIN_NUMBER "1" at 1457.62,-66 h12; Bottom Overlay "10UF 35V" at 1395.73,-44.35 h50
C99: PIN_NUMBER "2" at 655.2,-619.18 h12 r270; PIN_NUMBER "1" at 655.2,-516.82 h12 r270; Top Overlay "10UF 35V" at 638.35,-459.73 h50 r270
C100: PIN_NUMBER "2" at 905.24,-164 h12 r180; PIN_NUMBER "1" at 960.36,-164 h12 r180; Bottom Overlay "22UF 6.3V" at 978,-189 h50 r180
C101: PIN_NUMBER "1" at 1388.8,-288.25 h12 r270; PIN_NUMBER "2" at 1388.8,-319.75 h12 r270; Bottom Overlay "220PF 16V" at 1491.17,-374.87 h50 r270
C102: PIN_NUMBER "2" at 1147.2,-2320.25 h12 r90; PIN_NUMBER "1" at 1147.2,-2351.75 h12 r90; Top Overlay "DP_100NF 10V" at 839.17,-2265.13 h50 r90
C103: PIN_NUMBER "2" at 1099.2,-2320.25 h12 r90; PIN_NUMBER "1" at 1099.2,-2351.75 h12 r90; Top Overlay "DP_100NF 10V" at 791.17,-2265.13 h50 r90
C104: PIN_NUMBER "1" at 847.2,-2319.75 h12 r90; PIN_NUMBER "2" at 847.2,-2288.25 h12 r90; Top Overlay "HDMI_100NF 10V" at 499.17,-2233.13 h50 r90
C105: PIN_NUMBER "2" at 1063.2,-2320.25 h12 r90; PIN_NUMBER "1" at 1063.2,-2351.75 h12 r90; Top Overlay "DP_100NF 10V" at 755.17,-2265.13 h50 r90
C106: PIN_NUMBER "1" at 895.2,-2319.75 h12 r90; PIN_NUMBER "2" at 895.2,-2288.25 h12 r90; Top Overlay "HDMI_100NF 10V" at 547.17,-2233.13 h50 r90
C107: PIN_NUMBER "2" at 1015.2,-2320.25 h12 r90; PIN_NUMBER "1" at 1015.2,-2351.75 h12 r90; Top Overlay "DP_100NF 10V" at 707.17,-2265.13 h50 r90
C108: PIN_NUMBER "1" at 979.2,-2319.75 h12 r90; PIN_NUMBER "2" at 979.2,-2288.25 h12 r90; Top Overlay "HDMI_100NF 10V" at 631.17,-2233.13 h50 r90
C109: PIN_NUMBER "1" at 931.2,-2319.75 h12 r90; PIN_NUMBER "2" at 931.2,-2288.25 h12 r90; Top Overlay "HDMI_100NF 10V" at 583.17,-2233.13 h50 r90
C110: PIN_NUMBER "2" at 979.2,-2320.25 h12 r90; PIN_NUMBER "1" at 979.2,-2351.75 h12 r90; Top Overlay "DP_100NF 10V" at 671.17,-2265.13 h50 r90
C111: PIN_NUMBER "2" at 931.2,-2320.25 h12 r90; PIN_NUMBER "1" at 931.2,-2351.75 h12 r90; Top Overlay "DP_100NF 10V" at 623.17,-2265.13 h50 r90
C112: PIN_NUMBER "1" at 1015.2,-2319.75 h12 r90; PIN_NUMBER "2" at 1015.2,-2288.25 h12 r90; Top Overlay "HDMI_100NF 10V" at 667.17,-2233.13 h50 r90
C113: PIN_NUMBER "2" at 895.2,-2320.25 h12 r90; PIN_NUMBER "1" at 895.2,-2351.75 h12 r90; Top Overlay "DP_100NF 10V" at 587.17,-2265.13 h50 r90
C114: PIN_NUMBER "1" at 1063.2,-2319.75 h12 r90; PIN_NUMBER "2" at 1063.2,-2288.25 h12 r90; Top Overlay "HDMI_100NF 10V" at 715.17,-2233.13 h50 r90
C115: PIN_NUMBER "2" at 847.2,-2320.25 h12 r90; PIN_NUMBER "1" at 847.2,-2351.75 h12 r90; Top Overlay "DP_100NF 10V" at 539.17,-2265.13 h50 r90
C116: PIN_NUMBER "1" at 1147.2,-2319.75 h12 r90; PIN_NUMBER "2" at 1147.2,-2288.25 h12 r90; Top Overlay "HDMI_100NF 10V" at 799.17,-2233.13 h50 r90
C117: PIN_NUMBER "2" at 905.24,-216 h12 r180; PIN_NUMBER "1" at 960.36,-216 h12 r180; Bottom Overlay "22UF 6.3V" at 978,-241 h50 r180
C118: PIN_NUMBER "1" at 1099.2,-2319.75 h12 r90; PIN_NUMBER "2" at 1099.2,-2288.25 h12 r90; Top Overlay "HDMI_100NF 10V" at 751.17,-2233.13 h50 r90
C119: PIN_NUMBER "2" at 556.36,-2096 h12; PIN_NUMBER "1" at 501.24,-2096 h12; Bottom Overlay "22UF 6.3V" at 474,-2071 h50
C120: PIN_NUMBER "2" at 905.24,-112 h12 r180; PIN_NUMBER "1" at 960.36,-112 h12 r180; Bottom Overlay "10UF 10V" at 978,-137 h50 r180
C121: PIN_NUMBER "2" at 820.36,-3052 h12; PIN_NUMBER "1" at 765.24,-3052 h12; Bottom Overlay "4.7UF 16V" at 738,-3027 h50
C122: PIN_NUMBER "2" at 677.05,-3052 h12 r180; PIN_NUMBER "1" at 708.55,-3052 h12 r180; Bottom Overlay "100NF 10V" at 797.13,-2979.17 h50 r180
C123: PIN_NUMBER "2" at 808.8,-2780.25 h12 r90; PIN_NUMBER "1" at 808.8,-2811.75 h12 r90; Bottom Overlay "HDMI_100NF 10V" at 1156.83,-2725.13 h50 r90